# KiCad board Rogelio Pineda - connect 4 AMLDC-2044B.kicad_pcb (continued)
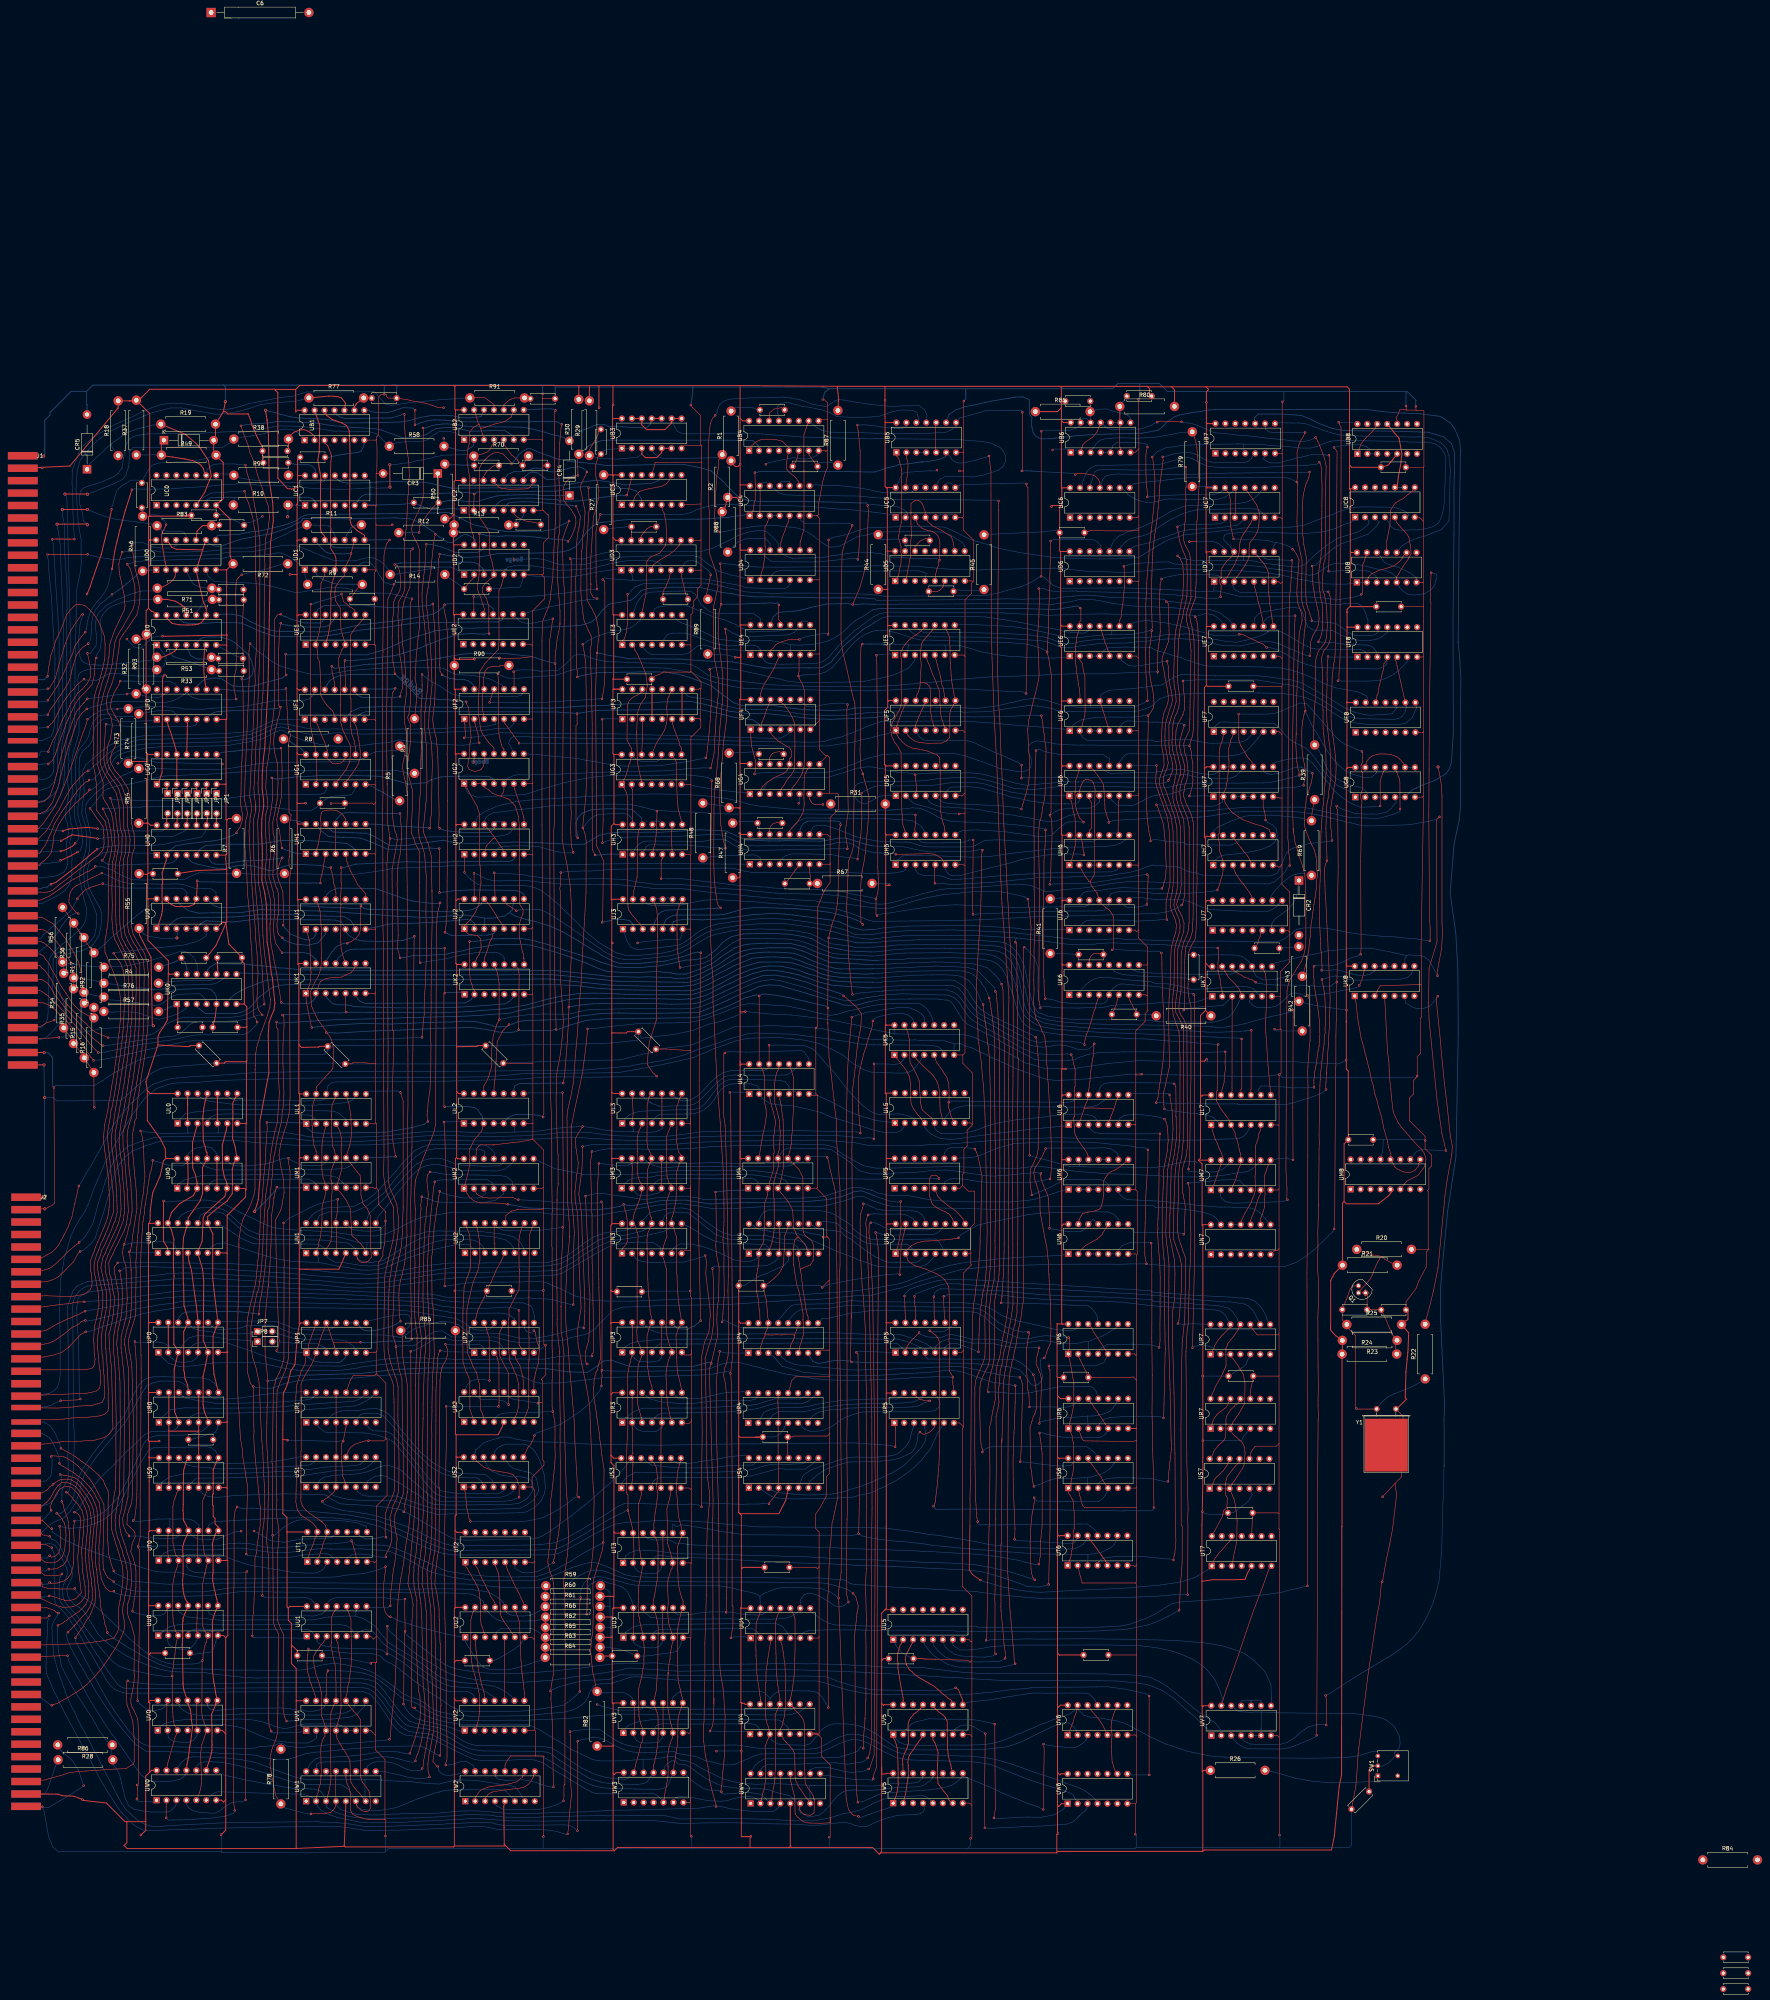
[diagram p0: board, top side]
## Routing (per net, layer and track width the routed paths; a pad name or vN(x,y) marks a point on that pad's centre or on a via; arc(x,y) is an arc through that point) (continued)
H2p4: length 225.2
  Top w0.15: UD5.5 309,360.64 309.03,361.16 309.03,361.18 309.25,362.05 309.36,362.66 309.71,363.38 309.79,364.39 v1(310,364.71) 310.02,364.74 310.09,369.03 310,369.79 309.62,370.86 309,371.54 308.22,371.99 307.76,372.2 306.94,372.32 306.26,372.55 305.48,372.9 304.32,373.98 304.11,374.79 UC5.3 ; v1(215.6,365.12) 215.88,364.84 215.88,364.11 215.89,361.58 215.74,347.11 215.79,346.39 215.78,343.58 215.81,336.76 215.7,327.5 215.7,315.85 215.71,315.73 215.81,301.66 215.9,300.29 215.75,296.42 215.78,295.05 215.92,291.8 v1(216.39,290.07) ; UC4.5 271.35,374.51 270.9,373.42 270.39,371.96 269.77,370.4 269.45,369.17 UD4.11
  Bottom w0.15: UH2.4 196.63,290.49 197.18,291.08 197.64,291.35 198.75,291.71 199.61,291.65 ; 199.61,291.65 201.11,291.74 202.39,291.75 204.05,291.76 207.48,291.6 209.39,291.05 212.19,290.29 213.59,290.05 214.4,289.95 215.2,289.96 215.68,289.96 v1(216.39,290.07) ; 199.61,291.65 199.69,291.65 ; v1(215.6,365.12) 216.37,365.12 216.54,365.1 216.95,365.06 219.07,365.03 222.21,366.03 224.75,366.66 225.81,366.89 249.21,366.97 250.66,367.42 252.09,367.8 254.02,368.72 256.26,369.78 258.35,370.97 260.69,371.74 261.5,371.96 263.53,372.28 264.72,372.3 265.99,371.9 268.02,369.97 268.73,369.03 268.89,368.56 UD4.11 269.71,366.41 269.96,366.29 270.53,365.89 271.18,365.57 272.41,365.19 274.07,365.27 277.17,365.28 280.15,365.41 282.66,365.9 283.93,366.01 286.12,366.35 287.53,366.57 288.8,366.67 292.78,366.64 294.94,366.35 295.88,366.11 297.36,365.66 298.06,365.46 304.51,365.14 305.09,365.18 308.6,365.11 309.17,365.08 309.53,365.06 v1(310,364.71)
H2p9: length 309.5
  Top w0.15: 170.09,184.77 169.52,181.04 169.47,179.7 169.32,178.26 ; 170.05,184.48 170.8,187.78 171.27,190.19 171.66,193.16 171.71,196.98 171.33,200.12 170.58,202.15 169.64,204.13 169.24,205.71 169.11,208.54 169.11,210.11 168.99,229.65 169.06,229.71 169.06,239.05 169.11,239.4 168.96,260.26 168.93,260.29 168.82,284.04 168.83,285.46 168.79,287.05 169.14,290.95 169.3,291.75 v1(169.61,293.65) 169.44,294.66 168.89,298.04 168.87,307.69 ; v1(168.53,110.16) 168.53,110.81 169.32,112.16 169.76,113.4 170.06,114.67 169.87,117.57 169.78,118.21 169.59,120.17 170.41,123.32 170.83,124.12 171.11,124.69 171.42,125.53 171.81,127.17 171.9,133.23 171.87,136.31 171.66,144.19 171.61,146.25 171.65,153.61 171.21,155.61 170.91,156.31 169.85,159.49 169.55,160.59 169.09,163.23 169.15,168.07 169.12,169.44 169.15,173.38 169.27,176.56 169.36,178.47 ; 168.87,307.36 168.67,322.38 168.84,331.67 168.93,346.07 168.93,347.48 169.02,352.39 169.02,354.71 169.92,356.81 170.12,357.28 v1(170.62,358.58)
  Bottom w0.15: UH2.9 201.28,296.56 200.49,295.33 199.57,294.72 198.52,294.39 196.48,294.15 194.82,294.22 181.67,294.04 179.98,294.06 175.54,293.75 174.26,293.61 171.46,293.4 170.89,293.4 170.66,293.46 170.14,293.65 v1(169.61,293.65) ; v1(170.62,358.58) 169.8,358.5 168.04,359.08 167.45,359.96 167.1,360.56 166.66,361.26 166.15,362.31 164.99,363.68 164.49,364.09 163.4,364.27 162.84,364.15 162.03,363.77 UD1.6 ; v1(168.53,110.16) 167.96,110.08 167.46,110.08 166.21,110.24 164.92,110.53 163.11,110.81 162.66,110.85 162.39,110.86 161.56,110.86 160.89,110.89 159.99,110.74 158.77,110 UT1.5
H2p12: length 285.6
  Top w0.15: UH2.5 198.38,291 197.71,291.84 197.27,292.57 196.51,293.59 ; 303.86,299.73 303.86,299.68 v1(303.83,299.65) 303.86,299.63 303.86,297.53 ; 237.78,300.66 v1(237.78,300.62) 237.82,300.62 237.66,295.26 237.59,294.72 237.41,292.87 237.05,291.52 UH3.4 ; UF7.2 382.43,319.55 382.25,318.8 382.13,318.3 381.75,317.36 381.64,316.85 381.45,315.38 381.45,294.9 381.14,294.59 381.31,293.42 381.48,292.5 381.58,290.34 382.32,288.3 382.46,287.48 v1(382.48,286.9) 382.32,286.6 382.45,285.6 382.33,284.54 381.85,283.04 381.55,281.87 381.4,281.5 381.12,280.81 380.94,280.55 380.99,280.5 v1(380.99,280.45) 381.04,280.45 381.07,280.43 ; v1(318.62,293.25) 318.43,276.32 v1(318.55,274.25) ; 196.51,293.59 195.9,293.59 194.18,291.71 UH2.3 ; 196.51,293.59 196.17,294.07 195.19,295.43 193.66,297.21 UH2.12 ; UH5.12 303.72,295.55 303.69,295.94 303.86,297.57
  Bottom w0.15: v1(318.62,293.25) 317.46,293.25 317.31,293.09 316.77,292.86 316.45,292.75 315.54,292.69 315.11,292.65 314.19,292.57 311.4,292.57 311.03,292.53 310.98,292.5 306.4,292.5 305.27,292.75 304.76,293.25 UH5.12 ; 376.64,279.8 374.37,279.71 370.81,279.51 365.94,279.59 365.81,279.62 364.68,279.62 363.44,279.79 361.2,279.98 357.58,280.12 355.07,279.97 353.89,279.54 353.76,279.47 353.48,278.99 UJ6.10 353.16,276.41 352.07,275.35 349.99,275.12 347.93,275.12 346.88,275.11 343.35,275.08 342.74,275.09 342.64,275.09 341.06,275.09 341.05,275.1 337.29,274.99 334.61,274.98 333.92,274.96 333.39,274.89 331.62,274.79 330.43,274.76 329.2,274.72 328.62,274.66 327.5,274.69 324.87,274.54 324.05,274.48 321.34,274.4 320.37,274.4 v1(318.55,274.25) ; 376.64,279.8 379.23,280.16 379.91,280.22 380.08,280.25 380.46,280.31 v1(380.99,280.45) ; 376.64,279.8 376.77,279.81 ; UH2.12 193.89,298.62 194.19,299.07 194.94,299.69 196.1,300.23 200.33,300.7 201.69,300.97 204.56,301.2 206.01,301.35 210.55,301.93 211.89,302.07 217.6,302.31 218.46,302.36 226.81,302.41 227.06,302.41 227.55,302.4 231.22,302.28 234.39,301.61 236.3,301.1 237,300.96 v1(237.78,300.62) 238.2,300.82 238.83,300.72 239.41,300.71 241.56,300.57 242.73,300.54 248.38,300.31 251.36,300.06 257.28,299.85 260.12,299.95 266.67,299.95 270.24,299.98 292.83,299.67 294.03,299.72 300.02,299.72 300.03,299.71 300.61,299.75 301.84,299.85 ; v1(303.83,299.65) 303,299.87 301.71,299.85
H3p2: length 107.3
  Top w0.15: v1(286.5,327.83) 286.3,326.31 286.39,317.97 286.66,300.5 286.12,297.01 285.87,295.16 286.44,291.68 v1(286.44,290.99)
  Bottom w0.15: UH3.2 232.12,290.97 232.36,291.29 233.2,292.17 233.85,292.64 234.42,292.86 235,292.98 249.52,292.91 251.75,293.34 253.04,293.41 254.75,293.42 255.89,292.97 257.3,292.03 258.64,291.36 260.12,290.78 262.11,290.6 263.54,290.59 266.13,290.65 281.65,290.97 285.88,291.17 286.2,290.99 v1(286.44,290.99) ; v1(286.5,327.83) 286.21,328.12 284.59,328.2 282.35,328.12 279.51,327.65 278.43,327.4 275.97,327.42 275.1,328.23 UF4.9
H3p3: length 103.4
  Top w0.15: 255.36,346.2 255.38,346.06 ; 255.38,346.06 255.55,345.17 255.87,336.06 255.86,335.25 255.82,332.87 255.84,328.62 255.58,325 255.65,324.57 255.25,321.54 254.82,318.21 254.48,314.02 253.95,307.73 253.82,302.97 253.88,302.28 254.03,297.82 254.15,296.82 254.54,294.56 254.78,293.06 v1(255.29,291.17) ; 255.38,346.06 255.32,346.34 v1(255.29,347.17)
  Bottom w0.15: v1(255.29,291.17) 254.78,291.17 254.44,291.26 253.47,291.28 249.29,291.54 245.36,291.99 240.12,291.97 238.31,292 237.15,292.07 235.6,291.97 235.02,291.48 234.41,290.36 UH3.3 ; UE4.8 276.15,349.15 274.8,349.15 274.38,348.73 UE4.9 273.51,346.99 272.9,346.27 271.36,345.64 264.48,345.33 262.9,345.27 261.72,345.3 258.98,345.4 257.7,345.85 257.22,346.01 256.14,346.73 v1(255.29,347.17)
H3p5: length 189
  Top w0.15: 238.87,283.2 v1(238.87,283.39) 238.87,288.1 239.17,288.41 UH3.5 ; v1(294.04,273.9) 293.76,274.18 v1(293.76,278.24) 294.21,279.58 294.41,281.77 294.37,282.49 294.3,284.56 294.21,286.41 294.22,288.7 294.12,298.01 294.15,313.44 294.25,317.92 294.22,319.46 294.15,320.52 294.17,323.6 294.01,331.66 293.97,338.31 293.94,338.34 293.94,340.36 v1(293.86,340.43)
  Bottom w0.15: UE5.1 297.21,340.79 295.4,340.67 v1(293.86,340.43) ; v1(293.76,278.24) 292.31,278.6 290.82,278.9 288.4,279.28 284.03,280.35 281.62,280.45 278.91,280.55 274.84,280.68 274.19,280.64 272.47,280.74 267.54,280.99 265.98,281.22 264.1,281.27 262.8,281.47 259.37,281.58 256.11,281.93 254.47,282.16 250.92,282.55 248.39,282.85 243.78,283.4 241.57,283.37 240.72,283.3 240.17,283.39 v1(238.87,283.39) ; UJ6.12 348.13,276.71 347.19,276.24 332.2,276.07 329.04,276.03 322.16,276.25 319.97,276.46 314.2,276.71 309.47,276.45 304.05,275.72 301.78,275.37 298.1,274.74 297.29,274.61 295.44,274.4 294.48,274.2 v1(294.04,273.9)
H3p9: length 7.6
  Top w0.15: UH3.9 241.57,295.47 241.55,292.56 UH3.6
H3p11: length 3.5
  Bottom w0.15: UH3.10 238.48,297.88 238.31,298.04 238.05,298.1 237.11,298.1 236.63,297.62 UH3.11
H4p2: length 16.6
  Bottom w0.15: UH4.2 264.33,288.13 264.07,288.85 263.33,289.19 262.73,289.43 258.2,289.34 253.63,289.17 251.64,288.99 R48.1
H4p4: length 92.5
  Top w0.15: v1(289.07,288.37) 289.29,290.25 289.48,292.19 289.85,294.08 290.15,298.4 290.11,300.55 290.15,304.05 290.08,304.92 v1(290.09,305.25)
  Bottom w0.15: v1(290.09,305.25) 290.83,305.73 291.5,306.06 292.44,306.54 293.33,306.9 ; v1(289.07,288.37) 289.07,288.44 287.83,288.66 285.75,288.87 282.42,289.5 276.55,289.69 272.31,289.69 270.64,289.26 269.96,288.73 269.46,288.17 UH4.4 ; 293.33,306.9 293.43,306.94 ; 293.33,306.9 294.8,307.18 296.4,306.99 308.45,307.21 312.65,307.85 318.65,307.98 320.97,307.71 323.93,306.83 325.66,306.22 326.7,305.95 328.35,305.47 331.69,304.94 334.33,304.75 339.07,304.67 UG6.1
H4p6: length 6.3
  Top w0.15: C11.1 271.44,283.19 271.83,283.63 272.08,284.1 272.76,284.94 273.06,285.44 274.23,286.81 UH4.6
H4p7: length 7
  Top w0.15: R67.1 276.86,282.15 C11.2 276.97,282.27 276.97,284.22 276.89,284.41 276.81,284.99 276.82,285.67 UH4.7
H4p10: length 77.5
  Bottom w0.15: UH6.11 350.8,293.83 350.23,293.47 349.43,292.94 348.6,292.81 332.52,292.88 330.84,292.89 325.84,293.25 324.58,293.28 322.24,293.18 321.53,293.08 320.99,292.92 320.6,292.67 320.15,292.4 319.41,292 319.11,291.87 318.5,291.57 318.1,291.49 315.12,291.49 307.68,291.49 307.05,291.48 306.04,291.61 304.66,291.93 302.46,292.65 301.33,292.73 299.87,292.69 294.98,292.91 293.58,293.03 293.1,293.15 292.42,293.28 288.53,294.11 285.25,295.46 283.92,296 280.89,296.95 279.86,297.03 278.71,296.97 277.74,296.68 UH4.10
H4p12: length 58.2
  Top w0.15: UG4.10 276.77,311.78 276.2,311.3 275.99,310.85 275.65,310.18 275.53,309.79 275.43,309.23 275.4,307.9 275.34,303.97 275.42,302.55 275.42,302.19 275.22,300.58 274.81,299.68 274.32,298.86 273.66,297.85 272.79,296.84 271.69,295.65 UH4.12
  Bottom w0.15: UH4.12 271.69,295.55 272.07,296.18 272.54,296.7 273.34,297.53 274.05,298.07 275.11,298.62 275.76,298.87 277.89,298.87 281.75,298.84 293.93,298.71 295.84,298.71 296.24,298.68 298.9,298.52 299.79,298.53 301.58,298.35 302.98,298.16 304.67,297.2 305.41,296.58 305.99,295.75 UH5.11
H4p14: length 5.5
  Top w0.15: UH4.14 266.61,296.14 266.79,296.74 267.34,297.34 268.46,297.72 C56.2
H4p15: length 9.6
  Bottom w0.15: R47.2 258.88,297.94 260.61,297.99 261.37,298.02 262.68,297.9 C56.1 264.07,296.99 UH4.15
H5p1: length 61.9
  Bottom w0.15: UH6.8 357.9,293.69 357.49,293.3 356.32,292.49 354.55,291.84 352.15,291.61 349.85,291.54 348.99,291.47 347.68,291.43 347.32,291.42 346.47,291.43 343.77,291.46 342.65,291.38 340.11,291.13 339.16,291.05 335.27,290.61 333.44,290.42 328.87,289.9 326.07,289.5 322.82,289.03 318.77,288.86 317.66,288.89 309.59,289.19 307.42,289.24 305.65,289.22 304.78,289.26 303.61,289.27 303.17,289.24 301.9,289.29 301.55,289.26 300.4,289.16 299.43,288.18 UH5.1
H5p2: length 279.4
  Top w0.15: 212.27,201.43 212.17,186.03 212.21,185.98 212.21,178.72 212.26,178.67 212.3,170.73 212.27,169.43 212.47,166.76 212.93,162.47 ; 211.4,108.69 211.4,108.7 v1(211.39,108.7) 211.4,108.71 211.4,109.53 211.5,109.63 211.71,110.48 211.68,110.69 211.92,111.69 212.11,112.76 212.39,114.54 212.6,115.67 212.9,118.17 213.07,119.55 213.08,126.58 213.07,127.95 213.11,134.16 213.02,138.45 213.07,139.42 213.03,140.53 213.07,143.82 213.09,145.12 212.79,159.19 212.93,162.64 ; 212.27,201.05 212.3,203.8 212.58,205.4 212.54,205.45 212.54,212.8 212.35,214.47 212.03,226.63 212.09,229.63 212.17,233.42 212.5,235.28 213.1,238.43 213.63,243.02 213.89,247.05 213.08,258.73 213.1,280.01 212.96,280.93 213.14,281.69 v1(213.24,284.96)
  Bottom w0.15: UH5.2 301.32,285.75 301.21,285.63 300.76,285.23 300.19,285.13 298.34,284.83 297.81,284.79 297.14,284.78 296.47,284.67 295.83,284.7 295.45,284.7 293.33,284.7 ; 293.33,284.7 293.42,284.71 ; 293.33,284.7 292.36,284.68 285.8,284.97 282.22,285.04 274.3,285.01 268.72,284.89 262.26,284.94 260.13,285.3 257.58,285.93 256.25,286.09 240.76,285.93 234.61,285.93 231.67,285.89 226.19,285.75 224.98,285.63 220.58,285.32 219.3,285.34 215.7,285.24 214.73,285.17 v1(213.24,284.96) ; v1(211.39,108.7) 210.49,108.28 210.04,107.95 209.02,107.27 208.1,106.79 207.21,106.44 205.62,106.14 204.43,106.06 203.2,106.21 201.52,107.27 UT2.6
H5p3: length 55.1
  Bottom w0.15: UH5.3 303.84,285.5 304.51,284.64 305.82,284.23 307.1,284.22 309.33,284.18 310.42,284.04 311.11,283.86 313.14,283.09 315.37,283.27 317.6,283.34 319.24,283.6 320.93,283.69 323.54,283.96 325.9,284.15 327.27,284.23 328.76,284.33 331.59,284.47 332.57,284.57 333.77,284.6 336.24,284.78 337.81,284.84 339.81,284.87 341.4,284.91 343.55,284.97 353.91,285.11 354.96,285.47 355.5,285.73 UH6.6
H5p5: length 226.2
  Top w0.15: v1(410.78,393.54) 411.56,392.45 411.46,375.53 411.47,373.61 411.34,367.65 411.4,366.64 411.35,362.63 411.32,359 411.3,355.72 411.27,354.38 411.15,347.52 411.14,346.99 411.19,346.19 411.06,340.55 410.92,338.9 410.67,338.18 410.31,334.62 410.23,331.89 410.05,325.51 410.07,323.36 410.18,322.21 410.23,321.47 410.46,319.89 410.6,319.1 410.94,316.59 411.14,314.5 411.34,312.2 411.26,309.95 411.18,309.16 411.14,308.37 410.9,307.16 410.57,305.19 ; v1(410.28,293.09) 410.18,294.67 409.94,296.64 409.83,297.68 409.89,298.61 409.89,298.85 409.84,298.71 409.93,301.32 410.11,302.65 410.38,304.15 410.58,305.24 ; 308.74,282.1 308.74,282.14 v1(308.8,282.2) 308.74,282.27 308.74,285.65 308.74,285.76 308.77,286.05 UH5.5
  Bottom w0.15: v1(308.8,282.2) 310.19,282.2 310.58,282.17 312.16,281.97 312.4,281.97 312.88,281.96 314.51,281.92 314.72,281.89 315.58,282 316.96,282.05 317.67,282.11 318.52,282.19 319.32,282.21 320.11,282.26 323.39,282.46 325.58,282.63 327.75,282.84 329.46,283.03 333.4,283.42 335.47,283.74 343.11,283.77 343.52,283.82 344.76,283.93 353.12,284.07 355.25,284.5 358.46,284.96 360.84,285.59 363.04,286.42 364.42,286.86 369.41,286.43 370.43,286.4 371.6,286.17 373.09,285.38 373.85,285.13 375.37,284.87 377.1,284.28 393.99,284.06 394.88,284.17 396.22,284.77 397.2,286.36 397.81,288.01 398.59,289.86 399.15,290.42 399.77,290.89 401.58,291.68 404.67,292.36 409.09,292.85 v1(410.28,293.09) ; UB8.3 UB8.2 419.69,392.27 420.02,393 418.94,393.81 417.12,394.23 415.61,394.16 412.81,393.98 411.58,393.69 v1(410.78,393.54)
H5p8: length 49.8
  Top w0.15: UG6.13 345.62,311.06 345.53,310.63 345.07,309.29 344.74,308.31 344.74,305.46 344.58,305.3 344.74,302.79 344.72,302.03 344.95,301.07 345.13,300.52 345.5,299.51 345.83,298.85 v1(346.79,297.79) 346.69,297.83
  Bottom w0.15: v1(346.79,297.79) 344.91,297.95 342.9,297.85 342.22,297.6 341.55,297.06 340.38,296.13 339.91,295.68 338.64,294.42 335.67,294.08 333.07,294.53 331.82,294.65 330.59,294.85 329.74,294.91 328.72,295.05 327.07,295.32 325.55,295.43 324.46,295.52 322.9,295.63 319.7,295.82 317.31,295.77 316.06,295.62 315.64,295.55 315.1,295.35 UH5.8
H6p3: length 5.1
  Bottom w0.15: UH6.5 UH6.4 UH6.3
H7p1: length 31.5
  Top w0.15: 392.92,300.77 393.21,299.64 393.18,299.13 393.32,298.4 393.3,298.38 ; 392.99,300.44 392.68,301.9 UG7.6 ; 393.3,298.38 393.25,298.32 v1(393.3,298.32) 393.3,298.38
  Bottom w0.15: UH7.1 379.91,287.72 381.26,288.85 381.72,289.1 382.47,289.35 383.47,289.47 384.47,289.55 385.64,289.68 388.21,290 389.46,290.28 390.4,290.41 390.77,290.49 392.32,290.89 394.26,291.67 395.58,292.61 396.29,294.08 396.07,296.07 395.1,297.14 394.63,297.32 393.86,297.69 v1(393.3,298.32)
H7p3: length 10.4
  Top w0.15: 384.86,286.6 385.08,286.38 385.34,285.45 385.59,284.84 385.64,284.84 385.78,284.43 386.76,283.04 386.8,282.9 386.89,282.77 387.22,282.46 387.72,281.93 387.9,281.58 388.23,281.21 389.21,279.77 389.74,278.9 UJ7.12
H7p12: length 9.2
  Top w0.15: 384.86,294.22 386.02,292.49 ; 389.94,286.6 389.53,287.49 389.36,287.82 389.19,288.34 388.69,289.15 387.76,290.26 387.44,290.73 387.03,291.27 386.04,292.49
HI DENS: length 278.9
  Top w0.15: 89.19,89.49 89.21,89.51 v1(89.24,89.51) 89.24,89.54 89.86,90.49 90.09,90.9 90.52,91.43 90.73,91.8 91.09,92.22 92.09,94.05 92.69,94.74 93.21,95.84 94.19,98.23 94.25,99.02 94.29,99.88 94.34,101.08 94.27,101.87 94.07,104.8 93.85,105.76 93.77,106.28 93.78,106.27 93.42,109.44 93.37,110.26 93.37,111.42 93.46,112.57 93.58,114.09 93.67,115.08 93.78,116.16 94.07,118.77 94.05,119.4 94.12,119.78 93.93,121.1 93.75,122.38 93.25,123.69 92.84,124.55 92.21,125.64 91.91,126.02 90.44,128.06 90.23,128.27 89.68,128.89 88.75,129.47 88.27,129.78 87.19,130.03 85.54,129.91 85.15,129.76 84.22,129.28 84.02,129.1 83.84,128.89 v1(83.49,128.67) 82.6,128.01 82.15,127.38 80.74,126.51 J2.49 ; v1(174.88,162.68) 175.09,127.11 174.98,126.08 174.94,124.22 174.87,122.48 174.53,119.33 174.43,118.14 174.14,116.11 173.55,112.62 173.13,109.2 172.83,107.2 172.35,104.62 172.11,103.13 172.01,102.17 171.62,98.94 171.29,91.5 171.3,87.57 171.08,82.06 171,80.75 170.91,77.8 170.28,71.09 170.19,70.4 169.98,68.36 169.92,67.69 169.73,65.02 169.66,64.28 v1(169.45,63.57)
  Bottom w0.15: v1(169.45,63.57) 168.35,63.3 166.35,63.17 164.67,62.98 159.75,62.58 157.15,62.45 156.68,62.37 155.68,62.3 153.08,62.09 151.82,61.97 150.12,61.77 148.48,61.65 147.03,61.44 145.32,61.58 143.23,61.81 142.06,62.55 141.06,62.49 140.09,61.95 136.99,61.75 136.45,61.73 135.01,61.33 133.43,61.21 126.92,61.35 126.01,61.38 124.84,61.4 122.09,61.48 121,61.49 118.98,61.55 118,61.55 116.49,61.6 115.58,61.63 114.28,61.66 111.24,61.77 110,61.77 108.89,61.81 107.97,61.83 106.66,62.32 105.78,62.78 104.99,63.47 104.57,63.85 103.26,65.29 102.6,66.04 102.12,66.77 101.44,67.67 100.81,68.52 99.19,70.79 98.61,71.71 97.33,73.72 96.54,75.09 95.49,76.97 95.03,77.82 94.16,79.42 93.88,80.08 92.8,81.94 91.87,83.61 90.94,85.43 90.41,86.46 89.24,88.66 v1(89.24,89.51) ; v1(174.88,162.68) 174.95,162.68 175.98,162.95 176.52,163.29 178.02,164.01 179.03,164.64 179.76,165.13 180.93,165.77 182.24,166 183.54,166.02 184.12,165.98 185.49,165.5 188.53,165.38 192.45,165.33 193.8,165.36 195.61,165.36 196.65,165.15 196.99,165.06 197.58,164.7 198.33,163.84 UP2.4
INTA: length 66.4
  Top w0.15: v1(82.15,331.87) 82.47,331.87 84.07,334.47 84.97,337.92 86.35,342.63 87.76,346.2 88.17,347.04 90.7,350.74 90.93,350.74 v1(91.07,350.87)
  Top w0.25: R53.2 111.51,339.97 113.44,340.8 114.43,341.36 115.02,341.96 UE0.3
  Bottom w0.15: v1(91.07,350.87) 90.9,349.98 90.48,348.75 90.36,348.14 90.05,344.35 90.11,341.98 90.34,340.19 90.68,339.18 91.26,338.61 91.84,338.34 92.84,338.09 93.69,338.04 94.32,337.94 94.99,337.93 95.67,337.91 99.02,338.19 99.61,338.24 100.19,338.24 100.76,338.32 104.03,338.73 108.72,339.22 R53.2 ; J1.40 81.06,331.69 v1(82.15,331.87)
IO PLS: length 96.7
  Bottom w0.15: J1.74 80.74,277.07 84.29,278.82 86.61,280.36 87.61,281.79 88.14,283.48 88.34,285.56 88.29,287.74 88.37,288.36 88.24,289.38 87.77,292.6 88.26,294.66 88.45,295.51 88.36,296.78 88.04,297.63 87.66,300.89 88.57,305.74 88.35,307.19 88.14,308.55 88.34,314.07 88.87,316.44 89.55,318.42 90.13,320.62 90.22,329.43 89.83,334.2 89.94,335.23 90.47,336 91.41,336.51 92.19,336.72 93.27,336.95 97.55,337.05 100.26,337.05 107.46,337.01 R33.2 110.78,336.75 111.93,337.92 112.28,339.04 112.41,339.79 112.08,340.52 111.74,340.94 110.99,341.9 UE0.1
IO RST: length 192.2
  Top w0.25: 157.94,402.99 158.25,404.84 157.15,406.17 156.27,406.46 155.25,406.57 153.91,406.61 R77.1
  Bottom w0.15: R77.1 147.19,405.71 145.2,405.28 139.61,404.85 136.55,404.46 133.11,403.31 130.51,402.6 126.21,401.98 125.04,401.99 120.35,402.8 116.37,403.59 113.58,403.6 108.97,402.45 104.19,400.49 101.82,399.44 97.61,397.35 95.3,395.64 93.55,394.13 92.37,392.66 90.83,390.76 90.35,390.01 89.64,387.39 89.46,384.57 89.37,382.7 89.97,373.8 90.67,370.01 90.65,367.86 90.71,364.14 90.48,361.71 89.54,357.23 89.41,350.9 89.13,338.27 89.07,326.91 88.96,322.28 87.96,317.74 87.47,315.18 87.56,313.45 87.21,308.1 87.51,305.29 87.21,303.02 86.83,301.61 86.67,298.85 87.17,297.55 87.42,295.05 86.93,292.55 86.98,289.56 87.3,287.76 87.17,286.97 86.93,286.03 86.34,285.14 84.69,284.2 83.24,283.93 81.13,283.65 80.17,283.57 J1.70
J0p2: length 51
  Bottom w0.2: 112.48,270.61 113.92,272.24 115.12,273.07 116.43,273.47 126.44,273.51 128.24,273.56 129.55,273.6 132.18,273.81 135.91,274.15 144.32,274.19 153.04,273.82 157.82,273.72 159.7,272.55 UJ1.6
J0p4: length 259.9
  Top w0.15: 151.94,119.31 152.29,119.08 153.12,118.12 UT1.12 153.09,116.06 153.37,115.74 152.44,113.36 152.26,112.53 151.9,111.44 151.47,110.27 151.01,109.53 UT1.2 ; 151.94,119.31 150.47,120.31 149.59,120.91 149.04,121.27 148.09,122.11 147.69,122.53 147.15,123.29 146.84,124.21 146.81,125.41 146.84,125.44 146.84,137.16 146.91,137.23 146.86,154.25 147.37,155.62 147.9,156.48 148.13,156.96 148.78,158.02 149.52,159.26 149.9,159.99 UP1.2 151.21,163.96 151.54,164.95 152.05,166.57 152.43,167.45 UP1.12 153.99,168.26 154.42,166.85 155.08,164.95 ; 151.94,119.31 152.23,119.01 ; v1(175.14,165.74) 174.78,186.4 174.99,193.38 174.87,200.22 174.99,205.08 175.2,214.84 175.39,236.46 175.49,244.5 175.75,268.06 v1(175.82,268.7) ; 155.08,164.95 155.28,164.47 155.36,163.99 ; 155.08,164.95 162.04,164.95 v1(162.06,164.98) 162.09,164.95 162.21,164.95 ; 155.35,164.06 UP1.4
  Bottom w0.2: v1(162.06,164.98) 162.27,164.98 163.21,164.83 164.21,164.9 164.72,164.9 165.71,164.97 167.36,165.11 168.25,165.15 169.9,165.29 171.05,165.25 172.94,165.11 174.65,165.26 v1(175.14,165.74) ; v1(175.82,268.7) 175.53,268.45 175.05,268.26 173.97,267.93 172.97,267.58 168.51,267.32 162.66,267.45 160.99,267.77 159.43,268.63 158.55,269.46 UJ1.5 157.1,272.37 155.61,272.79 153.87,272.85 149.06,272.87 147.75,272.87 135.74,273.11 129.39,272.3 124.25,272.51 122.56,272.61 121.27,271.92 121.04,271.69 UJ0.5 117.56,270.61
J0p9: length 103.4
  Top w0.15: v1(158.66,266.87) 159.8,267.39 160.64,267.93 161.05,268.35 161.68,269.14 162.02,270.32 162.03,272.09 162.08,273.28 v1(162.16,276.43) ; UJ2.12 195.15,276.44 196.25,274.77 196.9,273.71 197.1,273.27 197.75,272.38 198.39,271.52 UJ2.5 198.37,271.59
  Bottom w0.2: v1(158.66,266.87) 157.74,266.87 156.13,266.14 155.65,265.75 155.25,265.33 154.1,263.73 153.77,263.26 153.46,262.63 UK1.12 ; UJ2.12 193,277.25 192.85,276.78 191.89,276.07 190.78,275.51 189.51,275.25 188.03,275.13 185.1,274.89 183.76,274.93 179.96,275.04 178.18,275.08 177.96,275.12 174.99,275.24 174.13,275.33 169.42,275.44 163.73,275.59 162.85,275.81 v1(162.16,276.43) 162.16,275.92 161.5,275.72 161.05,275.73 159.55,275.8 157.68,275.93 155.19,276.01 154.72,276.04 152.49,276.13 150.39,276.31 145.4,276.5 139.71,276.64 139.1,276.66 134.59,276.54 129.66,276.05 128.84,276.04 125.96,276.01 124.66,276.46 122.64,278.23